# Altium PCB n21-evt.PcbDoc (part 1 of 3)
Units mm, origin at the board's own origin, x right, y up, seen from the top; angles counter-clockwise.
Board outline 50.8 x 103 mm, 4 copper layers (Top Layer, Mid Layer 3, Mid Layer 4, Bottom Layer), stack 1.58 mm thick; 89 components, 99 nets, 463 pads, 516 vias.
Unrouted connection lines stored in the file: 3.
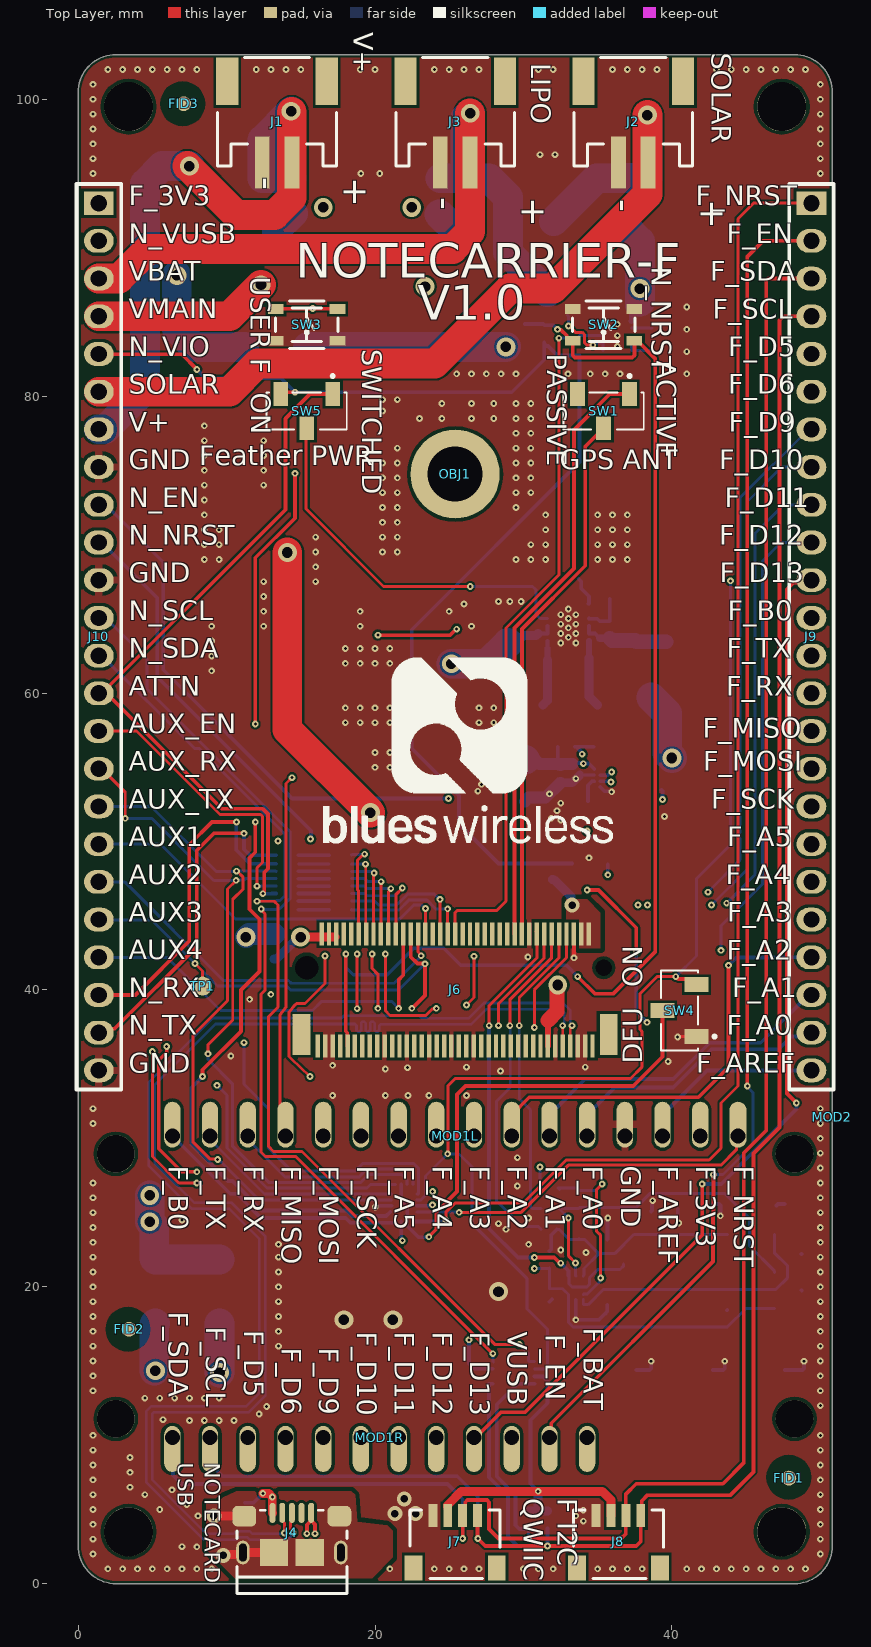
[diagram p0: Top Layer view]
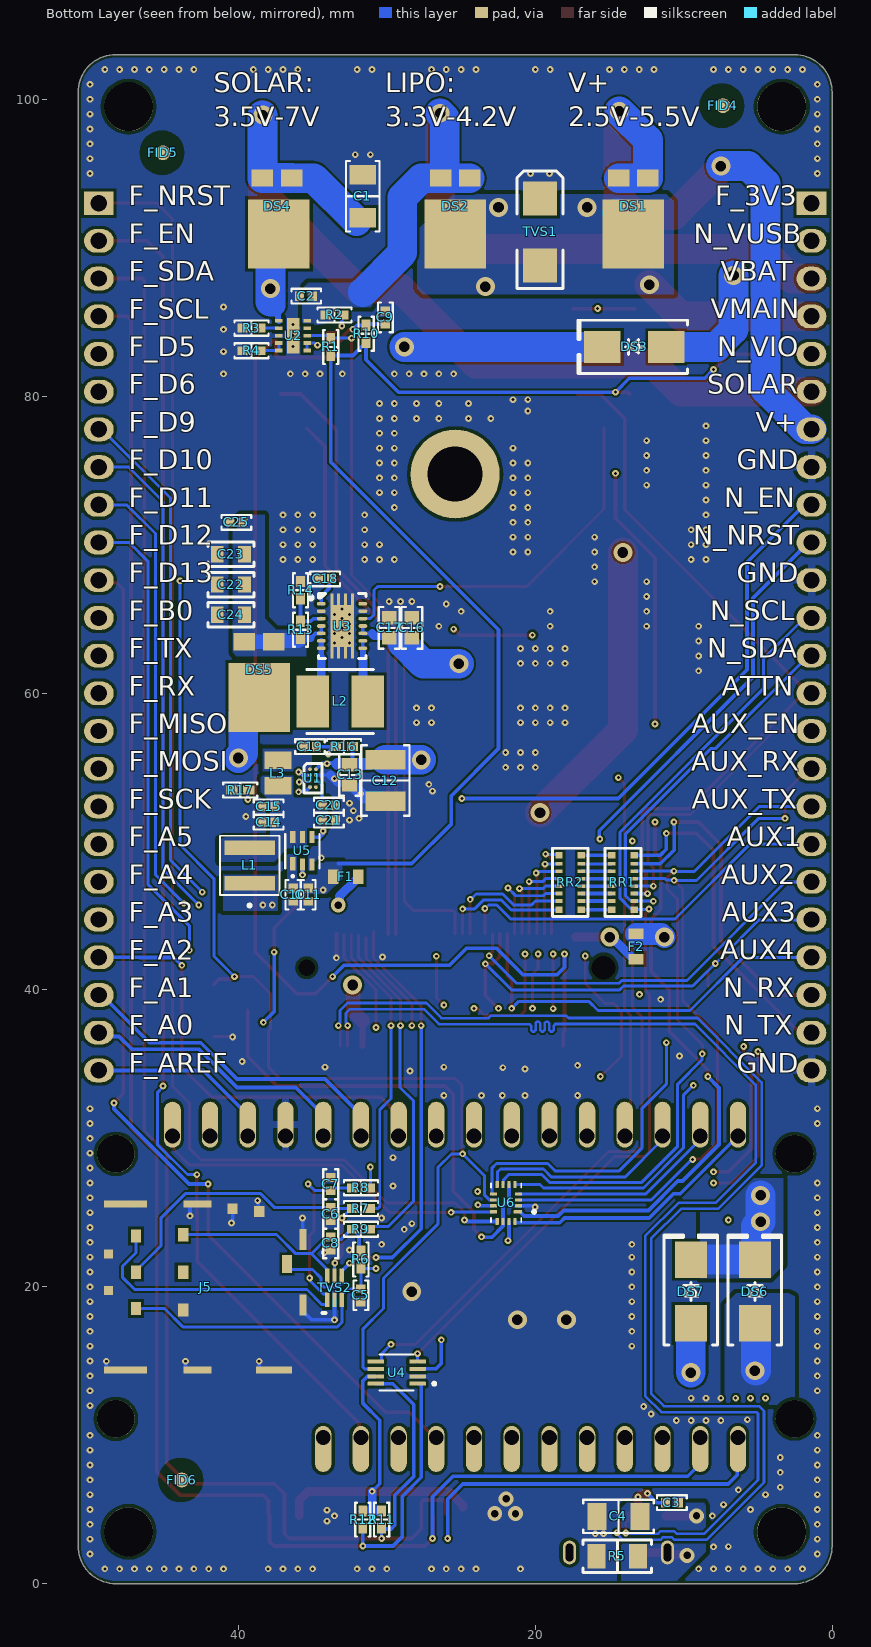
[diagram p1: Bottom Layer view, seen from below]
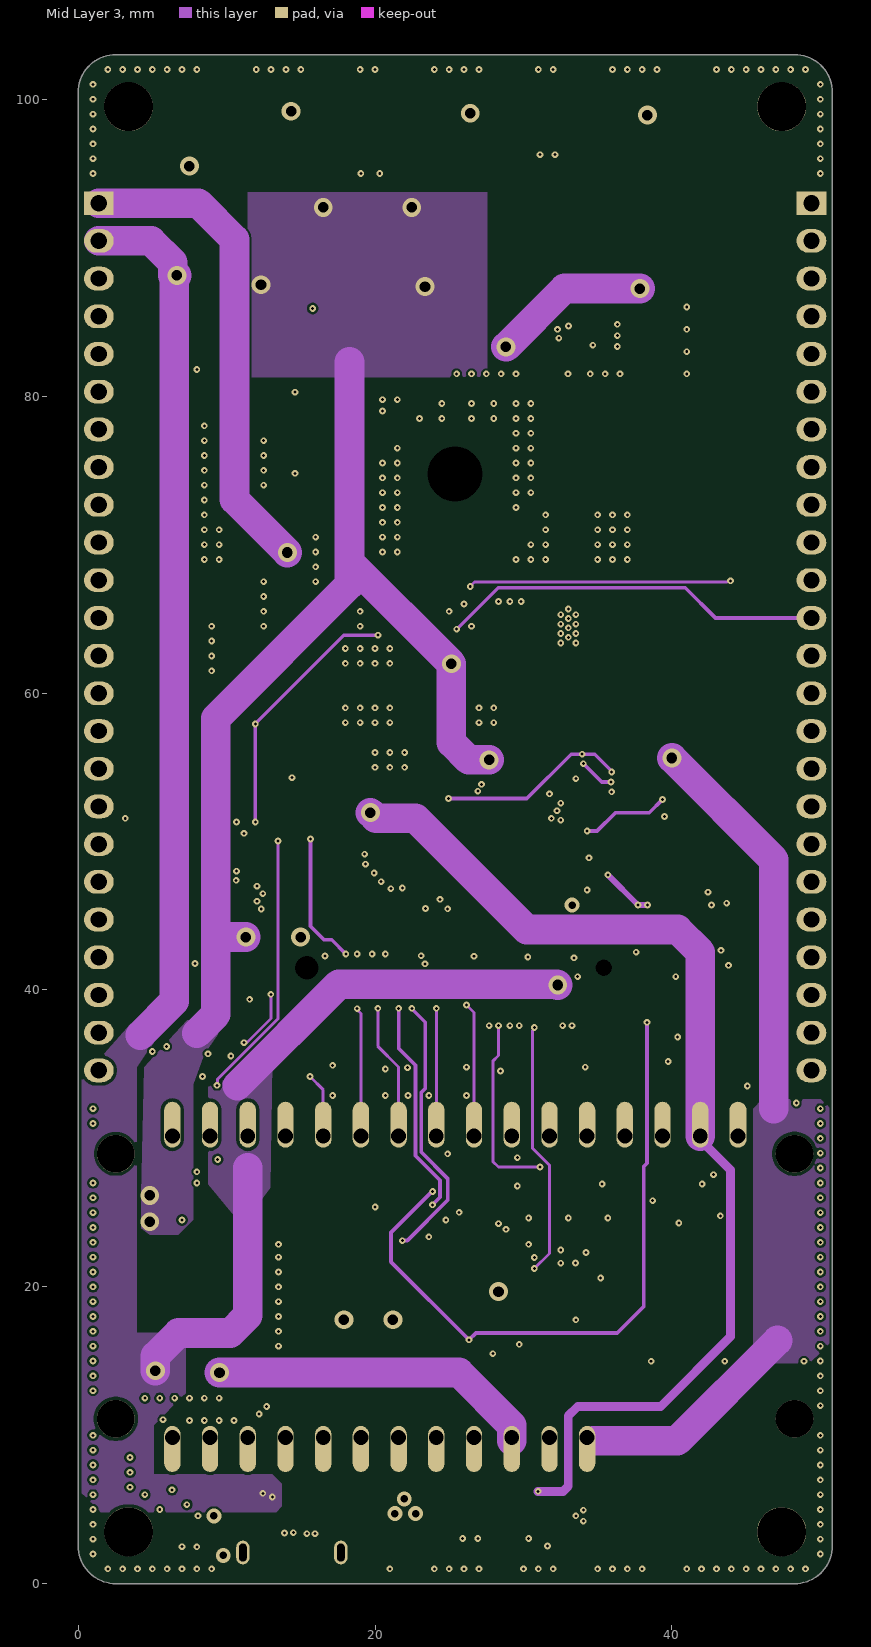
[diagram p2: Mid Layer 3]
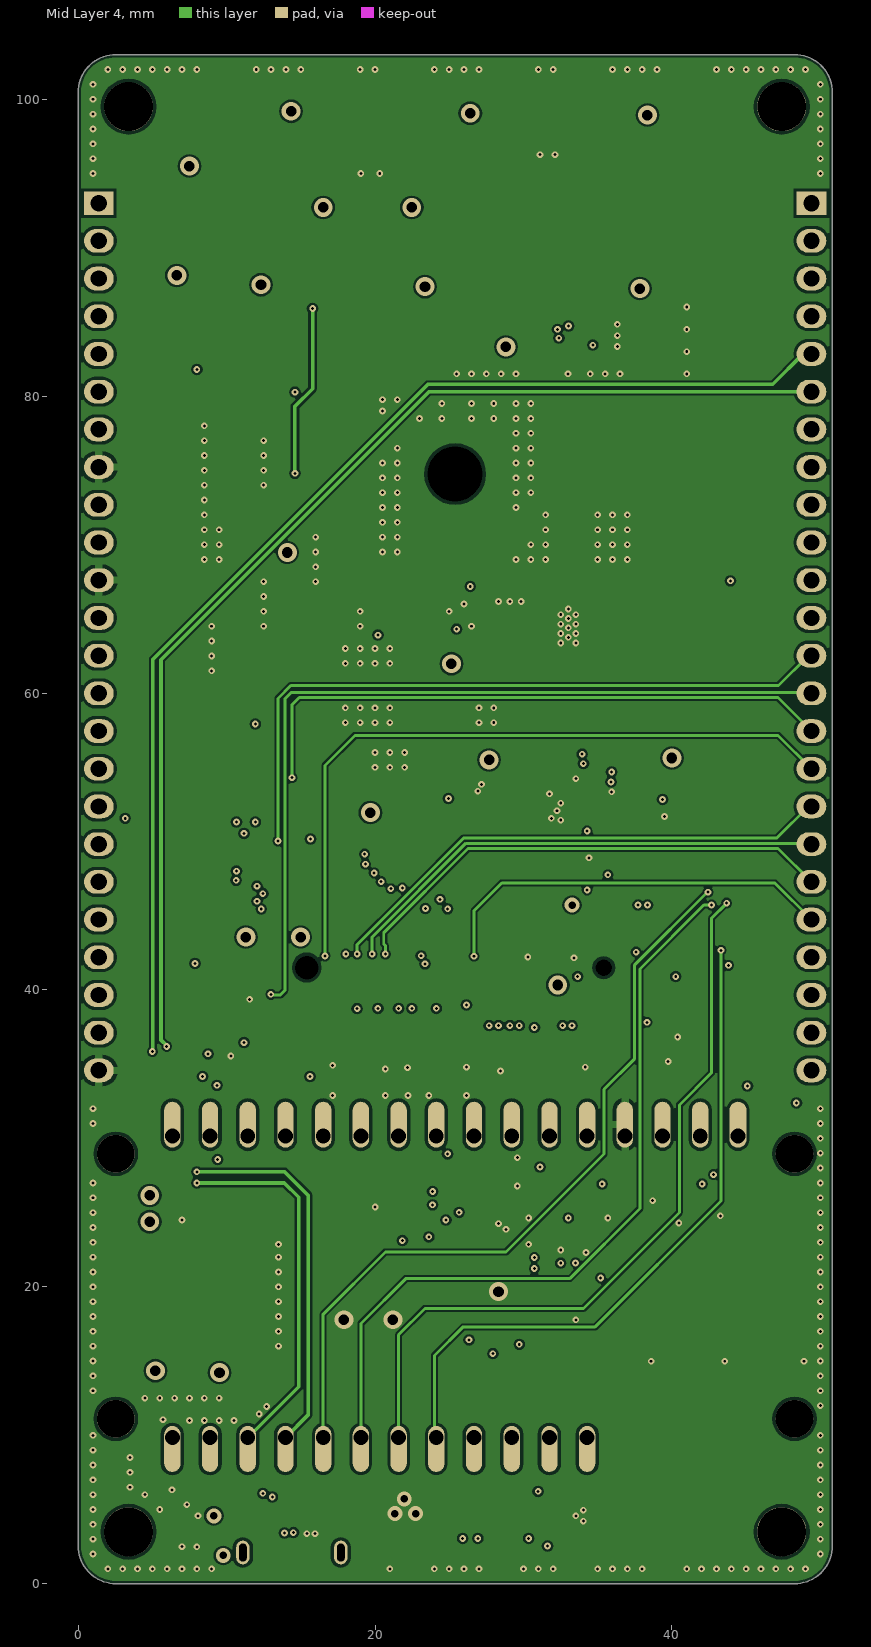
[diagram p3: Mid Layer 4]
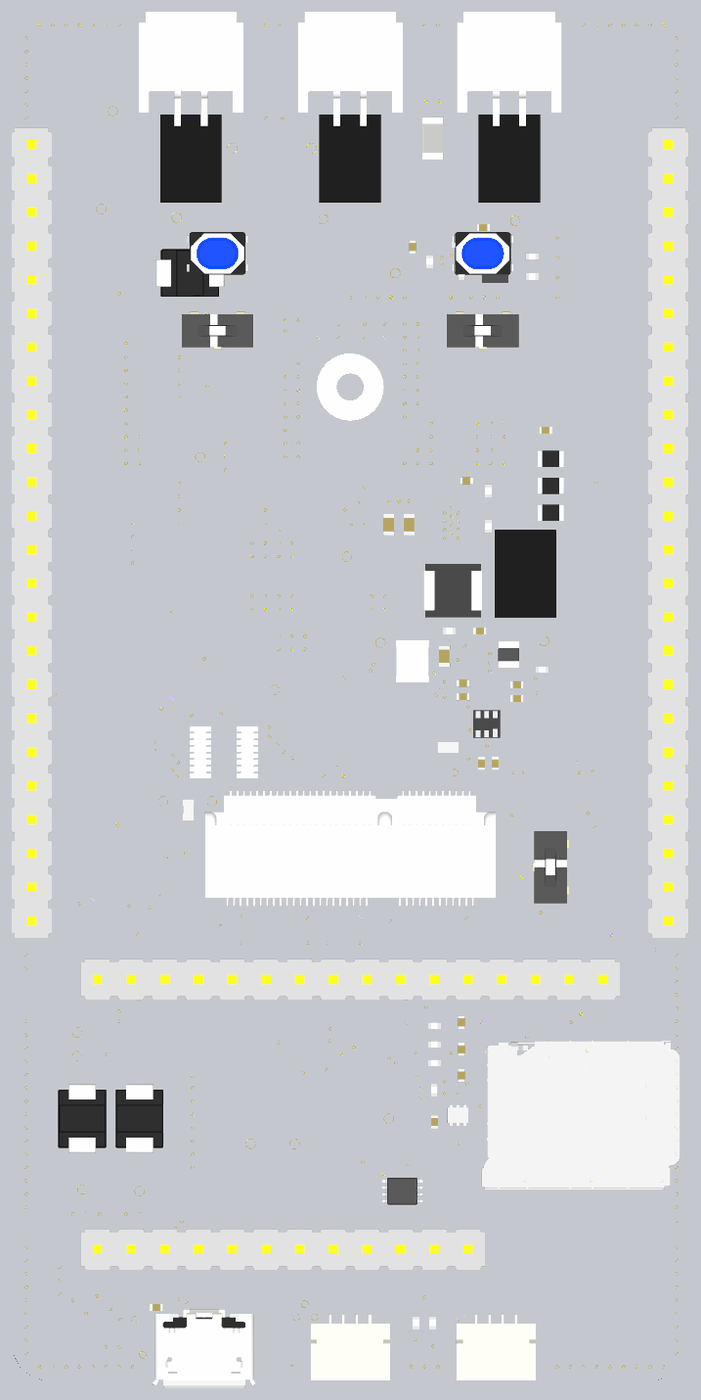
[diagram p6: 3D render of the assembled board from above, using the file's embedded part models]
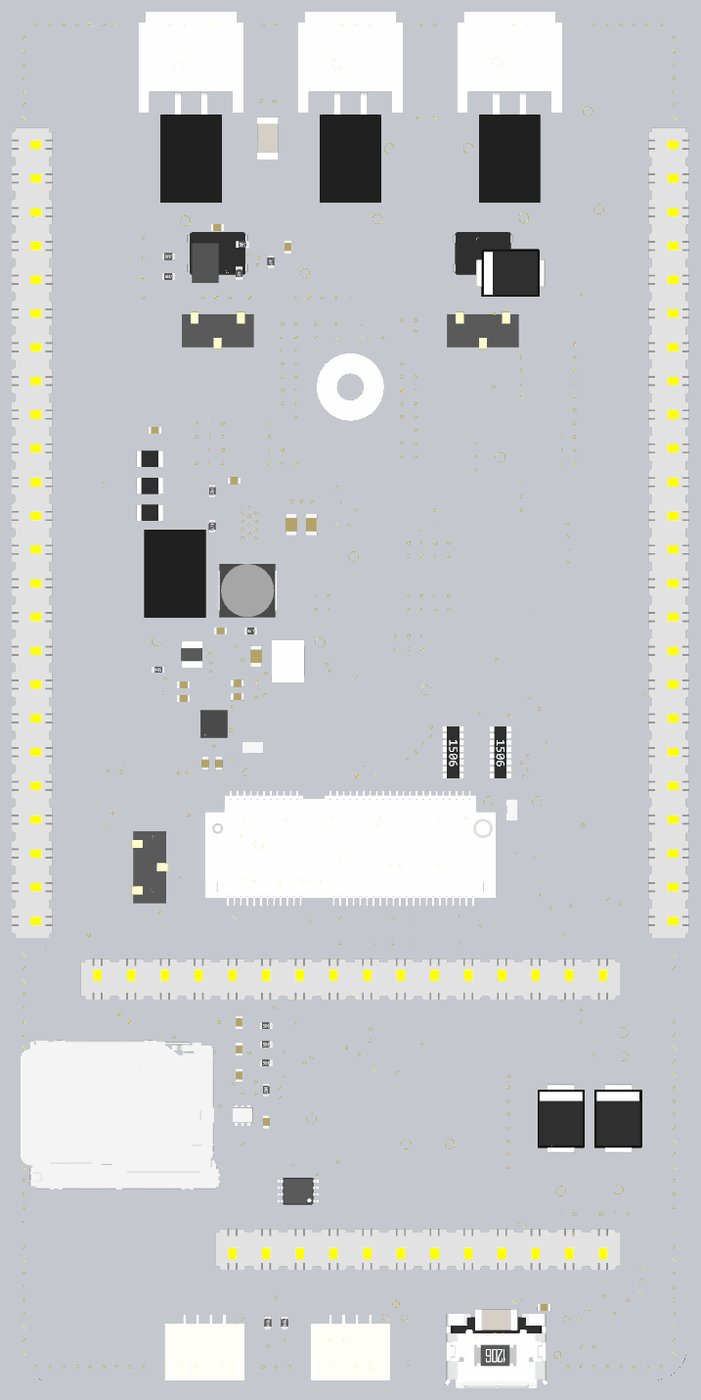
[diagram p7: 3D render of the assembled board from below, using the file's embedded part models]

## Layer stack, top to bottom
Top Solder: solder mask 0.0152, Solder Resist, Dk 3.5
Top Layer: signal copper 0.0483
Top Prepreg: prepreg 0.1092, Dk 4.2
Mid Layer 3: signal copper 0.0356
Bottom Core: core 1.1938, Dk 4.2
Mid Layer 4: signal copper 0.0356
Bottom Prepreg: prepreg 0.1092, Dk 4.2
Bottom Layer: signal copper 0.0483
Bottom Solder: solder mask 0.0152, Solder Resist, Dk 3.5

## Board outline
2.546,103.006 48.266,103.006 cw(c48.266,100.466) 50.806,100.466 50.806,2.546 cw(c48.266,2.546) 48.266,0.006 2.546,0.006 cw(c2.546,2.546) 0.006,2.546 0.006,100.466 cw(c2.546,100.466)

## Design rules (kind name [scope] priority, off if disabled: settings)
BoardOutlineClearance BoardOutlineClearance_INNER [OnPlane] p1: gap=0.508 ignorepadtopadclearanceinfootprint=FALSE
BoardOutlineClearance BoardOutlineClearance_1 [OnCopper] p2: gap=0.2 ignorepadtopadclearanceinfootprint=FALSE
Clearance Clearance-FID [HasFootprint('FIDUCIAL')] p1: gap=1 ignorepadtopadclearanceinfootprint=FALSE
Clearance Clearance_1 [All] p2: gap=0.15 ignorepadtopadclearanceinfootprint=FALSE except(0.14: SMDPad-SMDPad; 0.2: SMDPad-Fill SMDPad-Poly SMDPad-Region; 0.216: THPad-Fill THPad-Poly THPad-Region; 0.3: Fill-Fill Fill-Poly Fill-Region Poly-Poly Poly-Region Region-Region)
ComponentClearance ComponentClearance_FID [HasFootprint('FIDUCIAL')] p1: gap=0 collisioncheckmode=3 verticalgap=0 showdistances=FALSE
ComponentClearance [All] p2: gap=0.2 collisioncheckmode=3 verticalgap=0.254 showdistances=FALSE
ComponentClearance ComponentClearance_2 [(Identifier='NOTECARD_STEP')] p3: gap=0 collisioncheckmode=3 verticalgap=0 showdistances=FALSE
ComponentClearance ComponentClearance_1 [All] p4: gap=0.2 collisioncheckmode=3 verticalgap=0.254 showdistances=FALSE
ComponentClearance ComponentClearance_Notecard [(Identifier='Notecard Slug')] p5: gap=0.254 collisioncheckmode=3 verticalgap=0.254 showdistances=FALSE
DiffPairsRouting [All] p1: maxlimit=0.229 minlimit=0.127 mostfreqgap=0.229 toplayer_mingap=0.229 toplayer_minwidth=0.178 toplayer_maxwidth=0.178 toplayer_prefwidth=0.178 midlayer1_maxgap=0.127 midlayer1_prefgap=0.127 midlayer1_minwidth=0.084 midlayer1_maxwidth=0.084 midlayer1_prefwidth=0.084 midlayer2_maxgap=0.127 midlayer2_prefgap=0.127 midlayer2_minwidth=0.084 midlayer2_maxwidth=0.084 midlayer2_prefwidth=0.084 bottomlayer_mingap=0.229 bottomlayer_minwidth=0.178 bottomlayer_maxwidth=0.178 bottomlayer_prefwidth=0.178 impedanceprofiledriven=TRUE impedanceprofileid={A83118B2-D190-44F5-A8A1-5EBA05E719FD} impedanceprofilevalue=90.000000 maxuncoupledlength=12.7
HoleSize [All] p1: absolutevalues=TRUE maxlimit=3.7 minlimit=0.2 maxpercent=80.000 minpercent=20.000
MinimumSolderMaskSliver [All] p1: minsoldermaskwidth=0.102
PolygonConnect PolygonConnect_GND_PAD [InNet('GND') and IsPad and PadShape_TopLayer = 'Rectangular'] p1: connectstyle=Relief reliefconductorwidth=0.254 reliefentries=4 polygonreliefangle="90 Angle" airgapwidth=0.254
PolygonConnect PolygonConnect_GND [InNet('GND') And HoleDiameter<=0.45] p2: connectstyle=Direct reliefconductorwidth=0.254 reliefentries=4 polygonreliefangle="90 Angle" airgapwidth=0.254
PolygonConnect PolygonConnect_GND_2 [InNet('GND') And IsVia] p3: connectstyle=Direct reliefconductorwidth=0.254 reliefentries=4 polygonreliefangle="90 Angle" airgapwidth=0.254
PolygonConnect PolygonConnect_GND_1 [InNet('GND') And HoleDiameter>=0.45] p4: connectstyle=Relief reliefconductorwidth=0.508 reliefentries=4 polygonreliefangle="90 Angle" airgapwidth=0.254
PolygonConnect PolygonConnect_ALL_1 [All] p5: connectstyle=Relief reliefconductorwidth=0.254 reliefentries=4 polygonreliefangle="90 Angle" airgapwidth=0.254
RoutingVias [All] p1: holewidth=0.5 width=1 viastyle="Through Hole" minholewidth=0.2 minwidth=0.45 maxholewidth=0.711 maxwidth=1.27
SilkToSilkClearance [All] p1: silktosilkclearance=0.127
SilkToSolderMaskClearance [IsPad] p1: minsilkscreentomaskgap=0.1 clearancetoexposedcopper=TRUE
SolderMaskExpansion [All] p1: expansion=0.025 istentingtop=FALSE
Width [All] p1: maxlimit=2 minlimit=0.2 preferedwidth=0.254 toplayer_prefwidth=0.25 bottomlayer_prefwidth=0.25 minimp=50.000000 maximp=50.000000 favimp=50.000000
24 further rules are at their usual default settings.

## Classes and differential pairs
component class "REVISION HISTORY": FID1 FID2 FID3 FID4 FID5 FID6
component class POWER: C1 C2 C3 C4 C10 C11 C12 C13 C14 C15 C16 C17 C18 C19 C20 C21 C22 C23 C24 C25 DS1 DS2 DS3 DS4 DS5 DS6 DS7 J1 J2 J3 J4 L1 L2 L3 R1 R2 R3 R4 R5 R13 R14 R16 R17 TVS1 U1 U2 U3 U5
component class NOTECARD: C5 C6 C7 C8 C9 F1 F2 J5 J6 OBJ1 R6 R7 R8 R9 R10 RR1 RR2 SW1 SW2 TVS2
component class IO: J9 J10
component class FEATHER: J7 J8 MOD1 MOD1L MOD1R MOD2 MOD3 R11 R12 SW3 SW4 SW5 TP1 U4 U6
differential pair D: +D_P -D_N

## Components (designator, comment, footprint, x,y, rotation, side; value= is the part's Value field where it differs from the comment)
C1 "10 µF" "CAP 1206_3216 - 0.8MM" 31.623,93.472 r90 bottom
C2 "1 µF" "CAP 0402_1005" 35.433,86.741 r180 bottom
C3 "0.1 µF" "CAP 0402_1005" 10.795,5.461 r180 bottom
C4 "10000 pF" "CAP 1206_3216 - 0.8MM" 14.4,4.536 r0 bottom
C5 "0.1µF" "CAP 0402_1005" 31.75,19.431 r90 bottom
C6 "33pF" "CAP 0402_1005" 33.782,24.892 r90 bottom
C7 "33pF" "CAP 0402_1005" 33.782,26.924 r270 bottom
C8 "33pF" "CAP 0402_1005" 33.782,22.928 r90 bottom
C9 "0.1µF" "CAP 0402_1005" 30.1,85.3 r270 bottom
C10 "0.1 µF" "CAP 0402_1005" 36.322,46.414 r270 bottom
C11 "10 µF" "CAP 0402_1005" 35.306,46.414 r90 bottom
C12 "47µF" "CAP 1210_3225 - 2.8MM" 30.099,54.102 r90 bottom
C13 "4.7µF" "CAP 0603_1608" 32.512,54.483 r90 bottom
C14 "10 µF" "CAP 0402_1005" 37.973,51.308 r180 bottom
C15 "10 µF" "CAP 0402_1005" 37.973,52.324 r180 bottom locked
C16 "10 µF" "CAP 0603_1608" 28.321,64.389 r270 bottom
C17 "10 µF" "CAP 0603_1608" 29.845,64.389 r270 bottom
C18 "0.1 µF" "CAP 0402_1005" 34.163,67.691 r180 bottom
C19 "0.1 µF" "CAP 0402_1005" 35.179,56.388 r0 bottom
C20 "10 µF" "CAP 0402_1005" 33.909,52.451 r0 bottom
C21 "0.1 µF" "CAP 0402_1005" 33.909,51.435 r180 bottom
C22 "22uF" "CAP FILM 0805" 40.513,67.31 r0 bottom
C23 "22uF" "CAP FILM 0805" 40.513,69.342 r0 bottom
C24 "22uF" "CAP FILM 0805" 40.513,65.278 r0 bottom
C25 "0.1 µF" "CAP 0402_1005" 40.132,71.501 r180 bottom
DS1 "FSV1045V" TO277-3#1 13.4,91.932 r0 bottom
DS2 "FSV1045V" TO277-3#1 25.4,91.932 r0 bottom
DS3 "STPS3H100U" "DO214AA SMB" 13.335,83.312 r0 bottom
DS4 "FSV1045V" TO277-3#2 37.4,91.932 r0 bottom
DS5 "FSV1045V" TO277-3#1 38.608,60.706 r0 bottom
DS6 "STPS3H100U" "DO214AA SMB" 5.207,19.685 r90 bottom
DS7 "STPS3H100U" "DO214AA SMB" 9.525,19.685 r90 bottom
F1 "SF-0603F150-2" FS-0603 32.766,47.625 r180 bottom
F2 "3.5A/32V" FS-0603 13.208,42.926 r270 bottom
FID1 "TPS" FIDUCIAL 47.879,7.112 r0 top
FID2 "TPS" FIDUCIAL 3.429,17.145 r90 top
FID3 "TPS" FIDUCIAL 7.112,99.695 r90 top
FID4 "TPS" FIDUCIAL 7.366,99.568 r90 bottom
FID5 "TPS" FIDUCIAL 45.085,96.393 r90 bottom
FID6 "TPS" FIDUCIAL 43.815,6.985 r90 bottom
J1 "S2BPHSM4TBLFSN" "JST S2B-PH-SM4-TB" 13.4,100 r0 top
J2 "S2BPHSM4TBLFSN" "JST S2B-PH-SM4-TB" 37.4,100 r0 top locked
J3 "S2BPHSM4TBLFSN" "JST S2B-PH-SM4-TB" 25.4,100 r0 top
J4 "10118193-0001LF" "FCI USB 10118193-0001LF" 14.4,2.15 r180 top locked
J5 "NanoSIM - SF72S006VBAR2500" J-NANOSIM-SF72S006VBA 42.85,20 r270 bottom locked
J6 "MDT420E01001" J-75-0050-MOS-M2 25.4,40 r180 top locked
J7 "SM04B-SRSS-TB(LF)(SN)" "JST SM04B-SRSS-TB" 25.4,2.557 r180 top locked
J8 "SM04B-SRSS-TB(LF)(SN)" "JST SM04B-SRSS-TB" 36.4,2.557 r180 top locked
J9 "24x1" CES-124-01-S-S 49.4,93 r0 top locked
J10 "24X1" CES-124-01-S-S 1.4,93 r0 top locked
L1 "XFL4020-222MEC" IND_XFL4020-222MEC 39.243,48.387 r90 bottom
L2 "1.5uH" VCHA042A-1R5MS6 33.147,59.436 r180 bottom
L3 "1285AS-H-2R2M=P2" 1285AS-H-2R2M=P2-INDC2016X100N 37.338,54.61 r90 bottom
MOD1L "Socket 16-Pin, 0.100 inch (0.335 inch body)" 16PIN_254MM 44.45,30.16 r180 top locked
MOD1R "Socket 12-Pin, 0.100 inch (0.335 inch body)" 12PIN_254MM 34.29,9.84 r180 top locked
MOD2 "Feather Module" BLUES_WIRELESS_SWAN_2-54_HEADERS 50.8,31.43 r180 top
OBJ1 "9774025151R" DIST-WASMSIM0250 25.4,74.75 r0 top locked
R1 "10 kOhms" "RES 0402_1005" 33.782,83.312 r270 bottom
R2 "10k" "RES 0402_1005" 33.528,85.471 r0 bottom
R3 "470R" "RES 0402_1005" 39.116,84.582 r180 bottom
R4 "10k" "RES 0402_1005" 39.116,83.058 r180 bottom
R5 "1M" "RES 1206_3216" 14.478,1.85 r0 bottom
R6 "15k" "RES 0402_1005" 31.75,21.844 r270 bottom
R7 "22R" "RES 0402_1005" 31.75,25.273 r0 bottom
R8 "22R" "RES 0402_1005" 31.75,26.67 r0 bottom
R9 "22R" "RES 0402_1005" 31.75,23.876 r0 bottom
R10 "10 kOhms" "RES 0402_1005" 31.4,84.2 r270 bottom
R11 "10k" "RES 0402_1005" 30.353,4.318 r90 bottom
R12 "10k" "RES 0402_1005" 31.623,4.318 r90 bottom
R13 "1.1M" "RES 0402_1005" 35.814,64.262 r270 bottom
R14 "180k" "RES 0402_1005" 35.814,66.929 r270 bottom
R16 "10 MOhms" "RES 0402_1005" 32.893,56.388 r180 bottom
R17 "82 kOhms" "RES 0402_1005" 39.878,53.467 r180 bottom
RR1 "741X163101JP" "RESNET 1506-16 CONVEX" 14.097,47.244 r0 bottom
RR2 "741X163101JP" "RESNET 1506-16 CONVEX" 17.653,47.244 r0 bottom
SW1 "CJS-1200TA" SW_CJS-1200TA 35.4,78.994 r180 top locked